# Altium PCB 28Pin-Project-V1I1-PCB.PcbDoc (part 1 of 2)
Units mm, origin at the board's own origin, x right, y up, seen from the top; angles counter-clockwise.
Board outline 68.58 x 53.34 mm, 2 copper layers (L1, L2), stack 1.671 mm thick; 106 components, 71 nets, 323 pads, 103 vias.
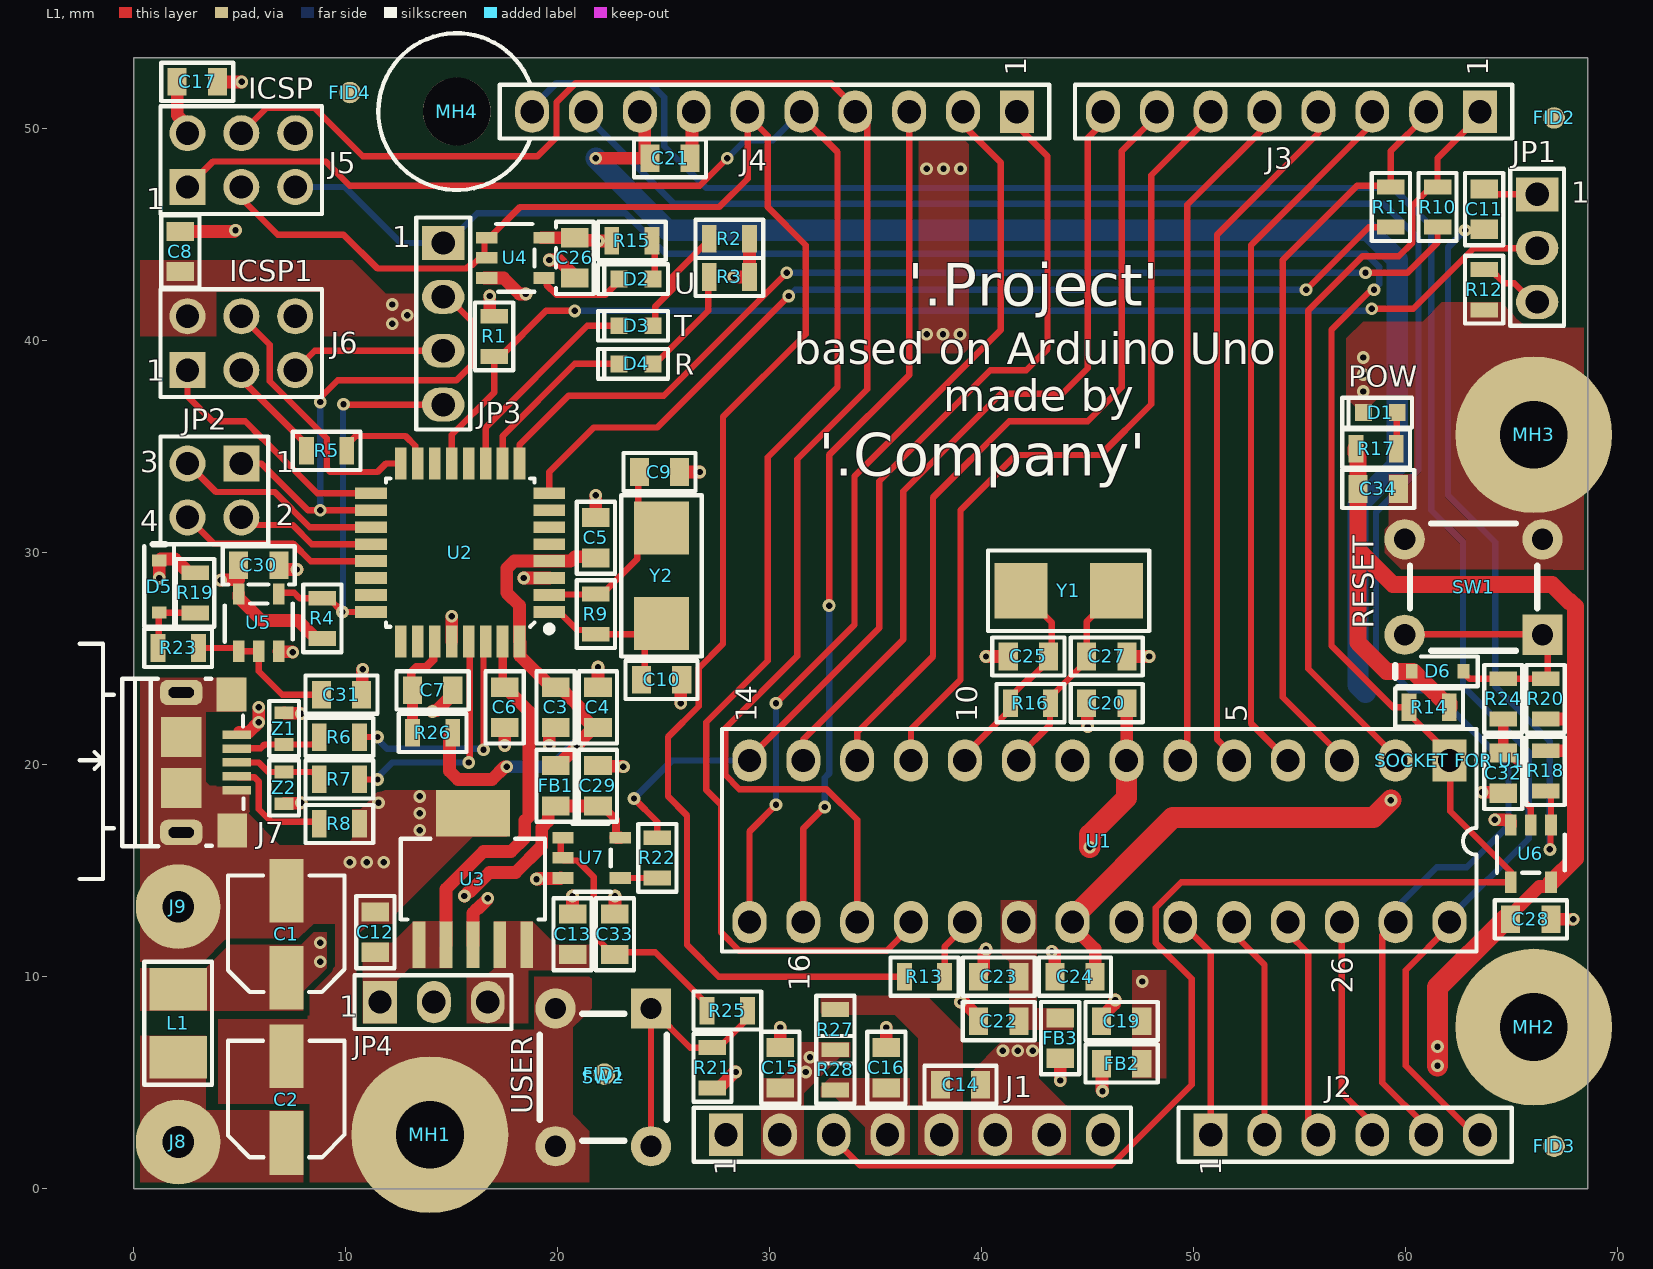
[diagram p0: L1 view]
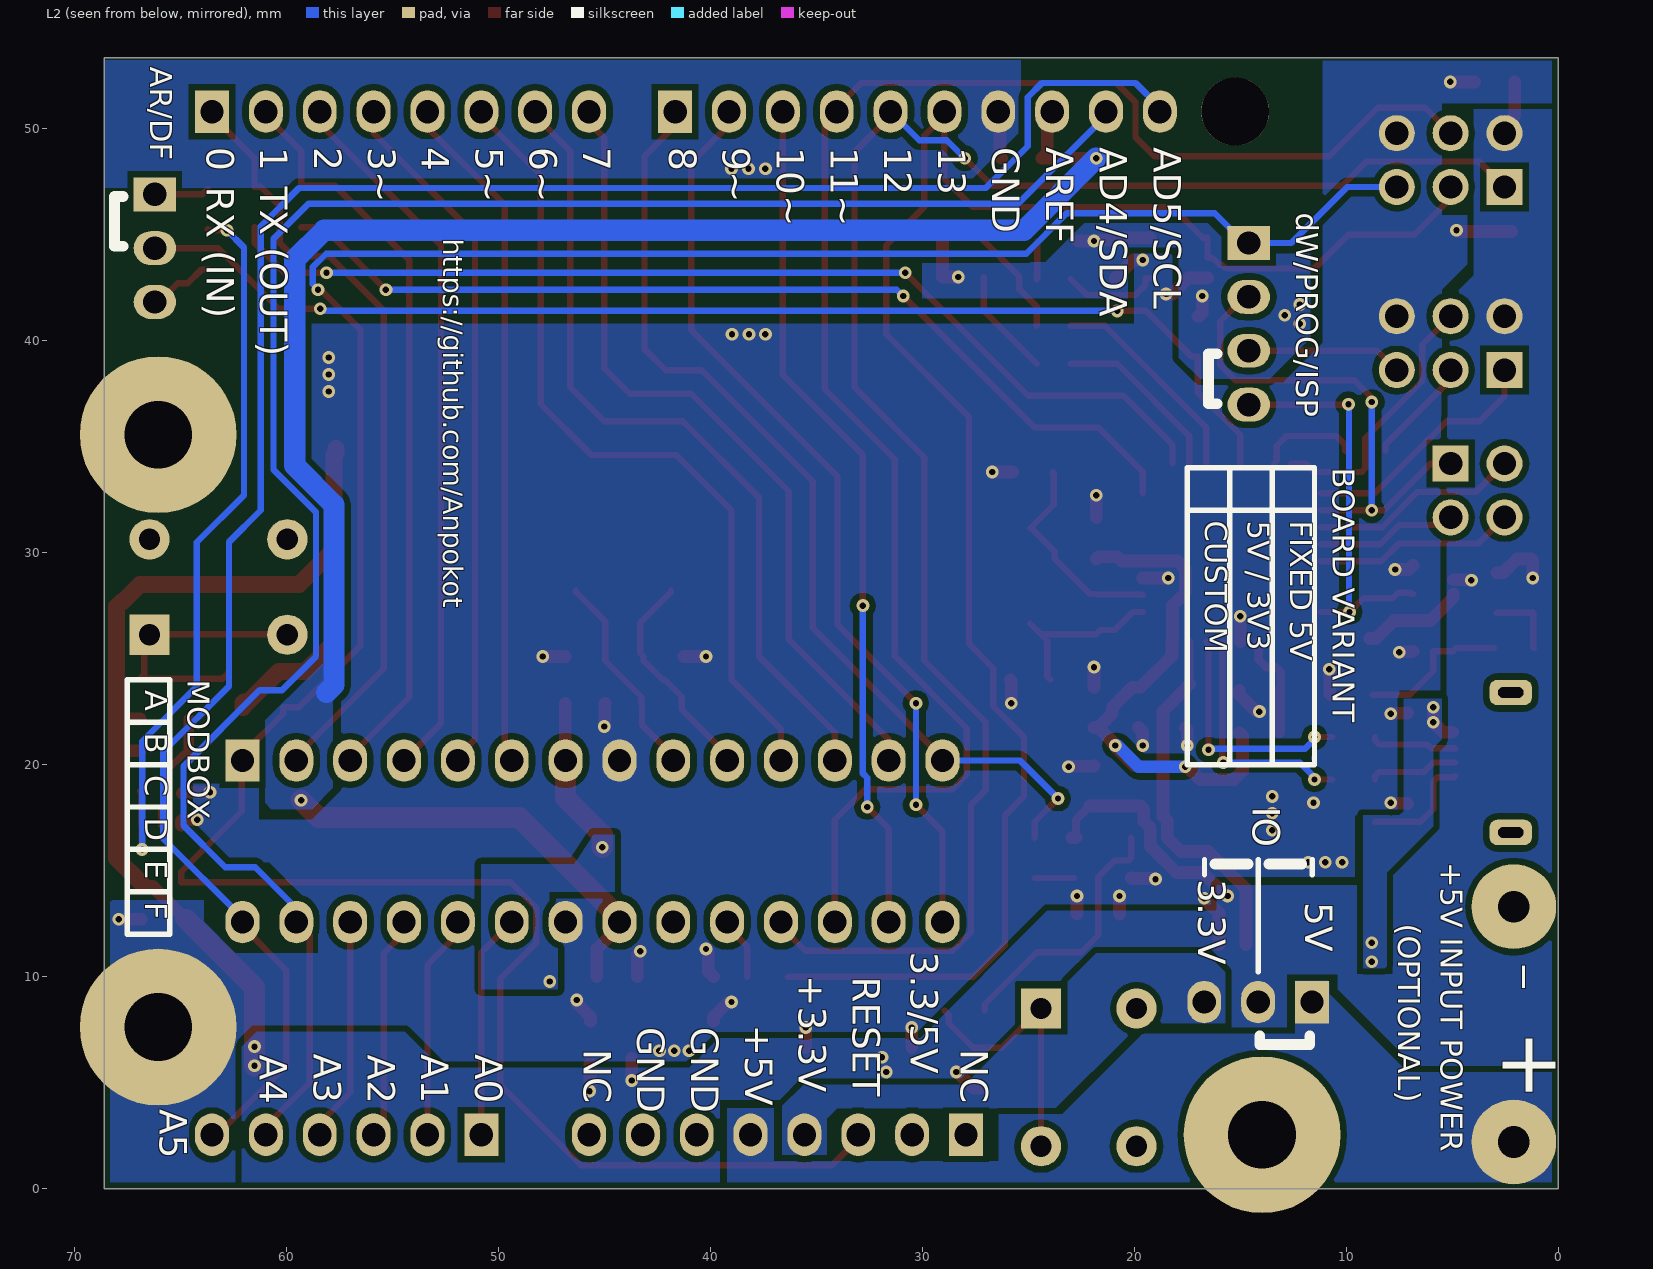
[diagram p1: L2 view, seen from below]

## Layer stack, top to bottom
Top Solder: solder mask 0.0102, Solder Resist, Dk 3.5
L1: signal copper 0.0356
Dielectric 1: dielectric 1.6, FR-4, Dk 4.8
L2: signal copper 0.0356
Bottom Solder: solder mask 0.0102, Solder Resist, Dk 3.5

## Board outline
0,0 68.58,0 68.58,53.34 0,53.34

## Design rules (kind name [scope] priority, off if disabled: settings)
Clearance Polygon [IsRegion] p1: gap=0.3 ignorepadtopadclearanceinfootprint=FALSE
Clearance [All] p2: gap=0.2 ignorepadtopadclearanceinfootprint=FALSE
ComponentClearance "SW2 to FID1" [InComponent('SW2') vs InComponent('FID1')] p1: gap=0 collisioncheckmode=3 verticalgap=0 showdistances=FALSE
ComponentClearance "Power Resistors" [InComponent('R27') vs InComponent('R28')] p2: gap=0 collisioncheckmode=3 verticalgap=0 showdistances=FALSE
ComponentClearance "MH4 to FID4 to J4" [InComponent('MH4') vs InComponent('FID4') or InComponent('J4')] p3: gap=0 collisioncheckmode=3 verticalgap=0 showdistances=FALSE
ComponentClearance "DIP SOCKET to MH2 to U1" [InComponent('SOCKET FOR U1') vs InComponent('MH2') or InComponent('U1')] p4: gap=0 collisioncheckmode=3 verticalgap=0 showdistances=FALSE
ComponentClearance "MH2 to J2" [InComponent('J2') vs InComponent('MH2')] p5: gap=0 collisioncheckmode=3 verticalgap=0 showdistances=FALSE
ComponentClearance [All] p6: gap=0.2 collisioncheckmode=3 verticalgap=0.2 showdistances=FALSE
HoleSize [All] p1: absolutevalues=TRUE maxlimit=10 minlimit=0.2 maxpercent=80.000 minpercent=20.000
HoleToHoleClearance [All] p1: gap=0.3 allowstackedmicrovias=TRUE
MinimumSolderMaskSliver [All] p1: minsoldermaskwidth=0.1
PolygonConnect [All] p1: connectstyle=Direct reliefconductorwidth=0.254 reliefentries=4 polygonreliefangle="90 Angle" airgapwidth=0.254
RoutingVias [All] p1: holewidth=0.3 width=0.6 viastyle="Through Hole" minholewidth=0.3 minwidth=0.6 maxholewidth=0.3 maxwidth=0.6
SilkToSilkClearance [All] p1: silktosilkclearance=0.1
SilkToSolderMaskClearance [IsPad] p1: minsilkscreentomaskgap=0.1 clearancetoexposedcopper=TRUE
SolderMaskExpansion [All] p1: expansion=0.1
Width "Width Power" [InNet('GND')or InNet('+*')] p1: maxlimit=4 minlimit=0.4 preferedwidth=0.4
Width Width_1 [All] p2: maxlimit=0.5 minlimit=0.3 preferedwidth=0.3
24 further rules are at their usual default settings.

## Components (designator, comment, footprint, x,y, rotation, side; value= is the part's Value field where it differs from the comment)
C1 "100uF/10V" C_ALU_C_SIZE 7.2,12 r90 top
C2 "100uF/10V" C_ALU_C_SIZE 7.2,4.2 r90 top
C3 "100n" C0805N95 19.9,22.7 r90 top
C4 "10uF/16V" C0805N145 21.9,22.7 r270 top
C5 "100n" C0805N95 21.8,30.7 r270 top
C6 "100n" C0805N95 17.5,22.7 r90 top
C7 "1uF/25V" C0805N95 14.1,23.5 r0 top
C8 "100n" C0805N95 2.2,44.2 r270 top
C9 "18p" C0805N95 24.8,33.8 r180 top
C10 "18p" C0805N95 24.9,24 r180 top
C11 "100n" C0805N95 63.7,46.2 r90 top
C12 "10uF/16V" C0805N145 11.4,12.1 r270 top
C13 "10uF/16V" C0805N145 20.7,12 r270 top
C14 "100n" C0805N95 39,4.9 r180 top
C15 "100n" C0805N95 30.5,5.7 r270 top
C16 "100n" C0805N95 35.5,5.7 r270 top
C17 "100n" C0805N95 3,52.2 r180 top
C19 "10uF/16V" C0805N145 46.6,7.9 r0 top
C20 "100n" C0805N95 45.9,22.9 r0 top
C21 "10uF/16V" C0805N145 25.3,48.6 r180 top
C22 "10uF/16V" C0805N145 40.8,7.9 r0 top
C23 "100n" C0805N95 40.8,10 r0 top
C24 "100n" C0805N95 44.4,10 r0 top
C25 "18p" C0805N95 42.2,25.1 r0 top
C26 "100n" C0805N95 20.8,43.9 r90 top
C27 "18p" C0805N95 45.9,25.1 r180 top
C28 "100n" C0805N95 65.9,12.7 r180 top
C29 "100n" C0805N95 21.9,19 r270 top
C30 "100n" C0805N95 5.9,29.4 r180 top
C31 "100n" C0805N95 9.8,23.3 r180 top
C32 "100n" C0805N95 64.6,19.6 r90 top
C33 "100n" C0805N95 22.7,12 r270 top
C34 "10uF/16V" C0805N145 58.7,33 r180 top
D1 "GREEN" LED_0603 58.8,36.6 r0 top
D2 "ORANGE" LED_0603 23.7,42.9 r0 top
D3 "ORANGE" LED_0603 23.7,40.7 r0 top
D4 "ORANGE" LED_0603 23.7,38.9 r0 top
D5 "BAT54HT1G" SOD323 1.2,28.4 r270 top
D6 "BAT54HT1G" SOD323 61.5,24.4 r0 top
FB1 "MPZ2012S601AT000" IND0805N95 19.9,19 r90 top
FB2 "MPZ2012S601AT000" IND0805N95 46.6,5.9 r0 top
FB3 "MPZ2012S601AT000" IND0805N95 43.7,7.1 r90 top
FID1 "FID_1MM" FID_40X120 22.2,5.4 r0 top
FID2 "FID_1MM" FID_40X120 67,50.5 r90 top
FID3 "FID_1MM" FID_40X120 67,2 r90 top
FID4 "FID_1MM" FID_40X120 10.2,51.7 r90 top
J1 "Hdr 1x8" Hdr_Fem_1x8_2.54mm 27.94,2.54 r90 top locked
J2 "Hdr 1x6" HDR_FEM_1X6_2.54MM 50.8,2.54 r90 top locked
J3 "Hdr 1x8" Hdr_Fem_1x8_2.54mm 63.5,50.8 r270 top locked
J4 "Hdr 1x10" HDR_FEM_1X10_2.54MM 41.656,50.8 r270 top locked
J5 "HDR 2x3" "HDR 2X3 2.54MM" 2.54,47.244 r90 top locked
J6 "HDR 2x3" "HDR 2X3 2.54MM" 2.54,38.608 r90 top
J7 "10118193-0001LF" 10118193 3.557,20.1 r270 top locked
J8 "4MMx1.5MM" PAD_WITH_HOLE_4MMX1.5MM 2.1,2.2 r0 top
J9 "4MMx1.5MM" PAD_WITH_HOLE_4MMX1.5MM 2.1,13.3 r0 top
JP1 "HDR 1x3" HDR_FEM_1X3_2.54MM 66.2,46.9 r0 top locked
JP2 "HDR 2x2" "HDR 2X2 2.54MM" 5.08,34.2 r270 top locked
JP3 "HDR 1x4" HDR_FEM_1X4_2.54MM 14.6,44.6 r0 top locked
JP4 "HDR 1x3" HDR_FEM_1X3_2.54MM 11.62,8.8 r90 top locked
L1 "2u2/2A" C1210_IND 2.1,7.8 r270 top
MH1 "MH_7.4MMD_3.2MMD" MH_7.4MMD_3.2MMD 13.97,2.54 r0 top locked
MH2 "MH_7.4MMD_3.2MMD" MH_7.4MMD_3.2MMD 66.04,7.62 r0 top locked
MH3 "MH_7.4MMD_3.2MMD" MH_7.4MMD_3.2MMD 66.04,35.56 r0 top locked
MH4 "MH_7.4MMNC_3.2MMD" MH_7.4MMD_3.2MMD_NON_PLATED 15.24,50.8 r0 top locked
R1 "100K" R0805 17,40.2 r90 top
R2 "560R" R0805 28.1,44.8 r180 top
R3 "560R" R0805 28.1,43 r180 top
R4 "10K" R0805 8.9,26.9 r270 top
R5 "22R" R0805 9.1,34.8 r180 top
R6 "22R" R0805 9.7,21.3 r0 top
R7 "22R" R0805 9.7,19.3 r0 top
R8 "0R" R0805 9.7,17.2 r0 top
R9 "1M" R0805 21.8,27.1 r90 top
R10 "1K" R0805 61.5,46.3 r90 top
R11 "1K" R0805 59.3,46.3 r90 top
R12 "1K" R0805 63.7,42.4 r90 top
R13 "22R" R0805 37.3,10 r180 top
R14 "10K" R0805 61.1,22.7 r0 top
R15 "560R" R0805 23.5,44.7 r0 top
R16 "1M" R0805 42.3,22.9 r180 top
R17 "560R" R0805 58.6,34.9 r0 top
R18 "10K" R0805 66.6,19.7 r90 top
R19 "10K" R0805 2.9,28.1 r90 top
R20 "10K" R0805 66.6,23.1 r270 top
R21 "10K" R0805 27.3,5.7 r270 top
R22 "560R" R0805 24.7,15.6 r90 top
R23 "22R" R0805 2.1,25.5 r0 top
R24 "22R" R0805 64.6,23.1 r270 top
R25 "22R" R0805 28,8.4 r180 top
R26 "0R" R0805 14.1,21.5 r0 top
R27 "0R" R0805 33.1,7.5 r270 top
R28 "0R" R0805 33.1,5.6 r270 top
"SOCKET FOR U1" "28-Dip Socket" 28_DIP_7.62MM_SOCKET 62.065,20.193 r270 top locked
SW1 "1825910-6" 1825910-6 63.2,28.375 r270 top
SW2 "1825910-6" 1825910-6 22.15,5.25 r0 top
U1 "ATMEGA328P-PU" DIP28 62.065,20.193 r270 top locked
U2 "ATMEGA16U2-AU-ND" TQFP32 15.4,30 r180 top locked
U3 "TL1963A-33DCQR" "DCQ (R-PSO-G6)" 16,14.6 r90 top
U4 "SN74AHC1G09DBVR" DBV_SOT23_5 18,43.9 r0 top
U5 "SN74AHC1G09DBVR" DBV_SOT23_5 5.9,26.7 r90 top
U6 "SN74AHC1G09DBVR" DBV_SOT23_5 65.9,15.8 r270 top
U7 "SN74AHC1G09DBVR" DBV_SOT23_5 21.6,15.6 r0 top
Y1 "16MHz" ABM7_BIG 44.1,28.2 r180 top
Y2 "16MHz" ABM7_BIG 24.9,28.9 r90 top
Z1 "CG0603MLC-05E" R0603 7.1,21.7 r270 top
Z2 "CG0603MLC-05E" R0603 7.1,18.9 r90 top

## Footprints (in the part's own frame and the unit in brackets; to place one, negate y for a bottom-side part, rotate by r counter-clockwise, add the part's x,y. Pads: shape width x height; smd on the part's side, far side on the other; paste and mask are expansions set on the pad)
28_DIP_7.62MM_SOCKET [mm]
  body extent -1.24,-34.26 8.86,1.24, height 4.2
1825910-6 [mm]
  rect 1.9x1.9 hole 1: 1(2.25,3.25)
  round 1.9 hole 1: 2(2.25,-3.25) 3(-2.25,3.25) 4(-2.25,-3.25)
  silkscreen extent -3,-3 3,3, body extent -3,-3.9 2.99,3.9, height 5
10118193 [mm]
  rect 0.4x1.35 smd mask+0.05: 1(-1.3,1.313) 2(-0.65,1.313) 3(0,1.313) 4(0.65,1.313) 5(1.3,1.313)
  rect 1.6x1.4 smd: 6(-3.2,1.058) 7(3.2,1.088)
  rrect60% 1.2x2 hole 0.5 slot 1.2 at 90 deg: 8(-3.3,-1.312) 9(3.3,-1.312)
  rect 1.9x1.9 smd: 10(-1.2,-1.312) 11(1.2,-1.312)
  silkscreen extent -5.6,-6.1 5.5,1.62, body extent -3.93,-4.09 3.93,1.57, height 2.87
ABM7_BIG [mm]
  rect 2.5x2.6 smd: 1(-2.25,0) 2(2.25,0)
  silkscreen extent -3.8,-1.9 3.8,1.9, body extent -3,-1.75 3,1.75, height 1.41
C0805N95 [mm]
  rect 0.9x1.3 smd: 1(-0.95,0) 2(0.95,0)
  silkscreen extent -1.7,-0.9 1.7,0.9, body extent -1,-0.6 1,0.6, height 0.95
C0805N145 [mm]
  rect 0.9x1.3 smd: 1(-0.95,0) 2(0.95,0)
  silkscreen extent -1.7,-0.9 1.7,0.9, body extent -1,-0.6 1,0.6, height 1.45
C1210_IND [mm]
  rect 2x2.7 smd: 1(-1.6,0) 2(1.6,0)
  silkscreen extent -2.9,-1.6 2.9,1.6, body extent -1.7,-1.35 1.7,1.35, height 2.71
C_ALU_C_SIZE [mm]
  rect 3x1.6 smd: 1(-2.05,0) 2(2.05,0)
  silkscreen extent -2.73,-2.75 2.78,2.75, body extent -2.93,-2.62 2.97,2.67, height 5.41
DBV_SOT23_5 [mm]
  rect 1x0.55 smd: 1(-1.35,0.95) 2(-1.35,0) 3(-1.35,-0.95) 4(1.35,-0.95) 5(1.35,0.95)
  silkscreen extent -0.9,-1.6 0.9,1.6, body extent -1.51,-1.53 1.51,1.52, height 1.61
"DCQ (R-PSO-G6)" [mm]
  rect 2.2x0.6 smd: 1(-3.1,2.54) 2(-3.1,1.27) 3(-3.1,0) 4(-3.1,-1.27) 5(-3.1,-2.54)
  rect 2.2x3.5 smd: 6(3.1,0)
  silkscreen extent -1.9,-3.4 1.9,3.4, body extent -3.63,-3.28 3.63,3.28, height 1.79
DIP28 [mm]
  rect 2x1.6 hole 1.1: 1(0,0)
  oval 2x1.6 hole 1.1: 2(0,-2.54) 3(0,-5.08) 4(0,-7.62) 5(0,-10.16) 6(0,-12.7) 7(0,-15.24) 8(0,-17.78) 9(0,-20.32) 10(0,-22.86) 11(0,-25.4) 12(0,-27.94) 13(0,-30.48) 14(0,-33.02) 15(7.62,-33.02) 16(7.62,-30.48) 17(7.62,-27.94) 18(7.62,-25.4) 19(7.62,-22.86) 20(7.62,-20.32) 21(7.62,-17.78) 22(7.62,-15.24) 23(7.62,-12.7) 24(7.62,-10.16) 25(7.62,-7.62) 26(7.62,-5.08) 27(7.62,-2.54) 28(7.62,0)
  silkscreen extent -1.49,-34.31 9.01,1.27, body extent -0.14,-33.83 7.76,0.82, height 7.94
FID_40X120 [mil]
  round 40 smd paste-40 mask+40: 1(0,0)
"HDR 2X2 2.54MM" [mm]
  rect 1.7x1.7 hole 1.1: 1(0,0)
  round 1.7 hole 1.1: 2(2.54,0) 3(0,-2.54) 4(2.54,-2.54)
  silkscreen extent -1.27,-3.81 3.81,1.27, body extent -1.23,-3.81 3.77,1.27, height 8.01
"HDR 2X3 2.54MM" [mm]
  rect 1.7x1.7 hole 1.1: 1(0,0)
  round 1.7 hole 1.1: 2(2.54,0) 3(0,-2.54) 4(2.54,-2.54) 5(0,-5.08) 6(2.54,-5.08)
  silkscreen extent -1.27,-6.34 3.81,1.27, body extent -1.23,-6.35 3.77,1.27, height 8.01
HDR_FEM_1X3_2.54MM [mm]
  rect 2x1.6 hole 1.1: 1(0,0)
  oval 2x1.6 hole 1.1: 2(0,-2.54) 3(0,-5.08)
  silkscreen extent -1.27,-6.2 1.27,1.2, body extent -1.21,-6.11 1.2,1.11, height 8.39
HDR_FEM_1X4_2.54MM [mm]
  rect 2x1.6 hole 1.1: 1(0,0)
  oval 2x1.6 hole 1.1: 2(0,-2.54) 3(0,-5.08) 4(0,-7.62)
  silkscreen extent -1.27,-8.8 1.27,1.2, body extent -1.21,-8.68 1.2,1.08, height 8.39
HDR_FEM_1X6_2.54MM [mm]
  rect 2x1.6 hole 1.1: 1(0,0)
  oval 2x1.6 hole 1.1: 2(0,-2.54) 3(0,-5.08) 4(0,-7.62) 5(0,-10.16) 6(0,-12.7)
  silkscreen extent -1.27,-14.2 1.27,1.52, body extent -1.25,-14.17 1.25,1.47, height 8.51
Hdr_Fem_1x8_2.54mm [mm]
  rect 2x1.6 hole 1.1: 1(0,0)
  oval 2x1.6 hole 1.1: 2(0,-2.54) 3(0,-5.08) 4(0,-7.62) 5(0,-10.16) 6(0,-12.7) 7(0,-15.24) 8(0,-17.78)
  silkscreen extent -1.27,-19.1 1.27,1.52, body extent -1.25,-19.15 1.25,1.57, height 8.51
HDR_FEM_1X10_2.54MM [mm]
  rect 2x1.6 hole 1.1: 1(0,0)
  oval 2x1.6 hole 1.1: 2(0,-2.54) 3(0,-5.08) 4(0,-7.62) 5(0,-10.16) 6(0,-12.7) 7(0,-15.24) 8(0,-17.78) 9(0,-20.32) 10(0,-22.86)
  silkscreen extent -1.27,-24.38 1.27,1.52, body extent -1.25,-24.33 1.25,1.47, height 8.51
IND0805N95 [mm]
  rect 0.9x1.3 smd: 1(-0.95,0) 2(0.95,0)
  silkscreen extent -1.7,-0.9 1.7,0.9, body extent -1,-0.6 1,0.6, height 0.96
LED_0603 [mm]
  rect 0.8x0.8 smd: 1(-0.8,0) 2(0.8,0)
  silkscreen extent -1.8,-0.7 1.5,0.7, body extent -0.85,-0.4 0.85,0.4, height 0.66
MH_7.4MMD_3.2MMD [mm]
  round 7.4 hole 3.2: 1(0,0)
MH_7.4MMD_3.2MMD_NON_PLATED [mm]
  round 3.2 hole 3.2 unplated: 1(0,0)
  silkscreen extent -3.7,-3.7 3.48,3.7
PAD_WITH_HOLE_4MMX1.5MM [mm]
  round 4 hole 1.5: 1(0,0)
R0603 [mm]
  rect 0.6x0.9 smd: 1(-0.75,0) 2(0.75,0)
  silkscreen extent -1.3,-0.7 1.3,0.7, body extent -0.8,-0.4 0.8,0.4, height 0.85
R0805 [mm]
  rect 0.7x1.3 smd: 1(-0.95,0) 2(0.95,0)
  silkscreen extent -1.6,-0.9 1.6,0.9, body extent -1,-0.6 1,0.6, height 0.61
SOD323 [mil]
  rect 22x27 smd: 1(-48,0) 2(48,0)
  silkscreen extent -79,-28 75,28, body extent -53,-25 53,25, height 43
TQFP32 [mm]
  rect 1.5x0.55 smd mask+0.06: 1(-4.2,2.8) 2(-4.2,2) 3(-4.2,1.2) 4(-4.2,0.4) 5(-4.2,-0.4) 6(-4.2,-1.2) 7(-4.2,-2) 8(-4.2,-2.8) 17(4.2,-2.8) 18(4.2,-2) 19(4.2,-1.2) 20(4.2,-0.4) 21(4.2,0.4) 22(4.2,1.2) 23(4.2,2) 24(4.2,2.8)
  rect 0.55x1.5 smd mask+0.06: 9(-2.8,-4.2) 10(-2,-4.2) 11(-1.2,-4.2) 12(-0.4,-4.2) 13(0.4,-4.2) 14(1.2,-4.2) 15(2,-4.2) 16(2.8,-4.2) 25(2.8,4.2) 26(2,4.2) 27(1.2,4.2) 28(0.4,4.2) 29(-0.4,4.2) 30(-1.2,4.2) 31(-2,4.2) 32(-2.8,4.2)
  silkscreen extent -4.3,-3.5 3.5,3.7, body extent -4.6,-4.6 4.6,4.6, height 1.2

## Part data
C1 C2: library part EEE-1AA101WR, "Cap Aluminum 100uF 10V 20% (5 X 5.4mm) SMD 50mA 1000 hr 85°C T/R", Capacitance=100uF, Case/Package=Radial, Manufacturer 1=Panasonic, Max Operating Temperature=85°C, Min Operating Temperature=-40°C, Package Quantity=1, Ripple Current=50mA, Supplier Part Number 1=PCE3867CT-ND, Tolerance=20%, Voltage Rating=10V, Category="Aluminum Electrolytic Capacitors", ComponentLink1Description=https://datasheet.ciiva.com/26945/getdatasheetpartid-169213-26945071.pdf?src-supplier=Verical, ComponentLink1URL=https://datasheet.ciiva.com/26945/getdatasheetpartid-169213-26945071.pdf?src-supplier=Verical, ComponentLink2Description=https://datasheet.ciiva.com/2983/aba0000ce2-2983906.pdf?src-supplier=Avnet, ComponentLink2URL=https://datasheet.ciiva.com/2983/aba0000ce2-2983906.pdf?src-supplier=Avnet, ComponentLink3Description=https://datasheet.ciiva.com/30075/11aba0000ce2-30075303.pdf?src-supplier=Onlinecomponents.com, ComponentLink3URL=https://datasheet.ciiva.com/30075/11aba0000ce2-30075303.pdf?src-supplier=Onlinecomponents.com, ComponentLink4Description=https://datasheet.ciiva.com/16427/aba0000ce2-16427544.pdf?src-supplier=Future+Electronics, ComponentLink4URL=https://datasheet.ciiva.com/16427/aba0000ce2-16427544.pdf?src-supplier=Future+Electronics, ComponentLink5Description=https://datasheet.ciiva.com/14598/70255710-14598233.pdf?src-supplier=Allied+Electronics, ComponentLink5URL=https://datasheet.ciiva.com/14598/70255710-14598233.pdf?src-supplier=Allied+Electronics, ComponentLink6Description=https://datasheet.ciiva.com/14605/70255710-14605689.pdf?src-supplier=Allied+Electronics, ComponentLink6URL=https://datasheet.ciiva.com/14605/70255710-14605689.pdf?src-supplier=Allied+Electronics, ComponentLink7Description=https://datasheet.ciiva.com/11673/aba0000ce2-11673882.pdf?src-supplier=Avnet, ComponentLink7URL=https://datasheet.ciiva.com/11673/aba0000ce2-11673882.pdf?src-supplier=Avnet, ComponentLink8Description=https://datasheet.ciiva.com/24027/aba0000ce2-40801-24027541.pdf?src-supplier=Mouser, ComponentLink8URL=https://datasheet.ciiva.com/24027/aba0000ce2-40801-24027541.pdf?src-supplier=Mouser, Contact Plating=Tin, Diameter=5mm, Height=5.4mm, Height - Seated (Max)=0.213inch, Lead Free="Lead Free", Length=5.5mm, Life (Hours)=1000Hour, Manufacturer Part Number 1=EEE-1AA101WR, Mount="Surface Mount,PCB", Packaging="Tape and Reel", Pricing 1="1=0.32000, 10=0.22100, 100=0.13280, 500=0.09964 (USD)", Radiation Hardening=No, REACH SVHC=Unknown, Ripple Current (AC)=50mA, RoHS=Yes, Stock 1=75322, Supplier 1=Digi-Key, Termination=SMD/SMT, Voltage Rating (DC)=10V
C3 C5 C6 C8 C11 C14 C15 C16 C17 C20 C23 C24 C26 C28 C29 C30 C31 C32 C33: library part C2012X7R1H104K085AA, "TDK - C2012X7R1H104K085AA - SMD Multilayer Ceramic Capacitor, 0.1 µF, 50 V, 0805 [2012 Metric], ± 10%, X7R, C Series", Capacitance=100nF, Case/Package=0805, Case Code (Metric)=2012, Dielectric=X7R, Dielectric Material=Ceramic, Manufacturer 1=TDK, Max Operating Temperature=125°C, Min Operating Temperature=-55°C, Package Quantity=1, Supplier Part Number 1=445-7534-1-ND, Tolerance=10%, Voltage=50V, Case Code (Imperial)=0805, Category="Ceramic Capacitors", ComponentLink1Description=https://datasheet.ciiva.com/11788/0900766b80c1bb00-11788128.pdf?src-supplier=RSComponents, ComponentLink1URL=https://datasheet.ciiva.com/11788/0900766b80c1bb00-11788128.pdf?src-supplier=RSComponents, ComponentLink2Description=https://datasheet.ciiva.com/6250/tdkmlcccaprange-6250821.pdf?src-supplier=Digi-Key, ComponentLink2URL=https://datasheet.ciiva.com/6250/tdkmlcccaprange-6250821.pdf?src-supplier=Digi-Key, ComponentLink3Description=https://datasheet.ciiva.com/24191/e412-c-24191447.pdf?src-supplier=Future+Electronics, ComponentLink3URL=https://datasheet.ciiva.com/24191/e412-c-24191447.pdf?src-supplier=Future+Electronics, ComponentLink4Description=https://datasheet.ciiva.com/6250/tdkmlcccaprange-6250824.pdf?src-supplier=Digi-Key, ComponentLink4URL=https://datasheet.ciiva.com/6250/tdkmlcccaprange-6250824.pdf?src-supplier=Digi-Key, ComponentLink5Description=https://datasheet.ciiva.com/23803/1796654-23803035.pdf?src-supplier=Newark, ComponentLink5URL=https://datasheet.ciiva.com/23803/1796654-23803035.pdf?src-supplier=Newark, ComponentLink6Description=https://datasheet.ciiva.com/28602/1571323-28602204.pdf?src-supplier=Element14, ComponentLink6URL=https://datasheet.ciiva.com/28602/1571323-28602204.pdf?src-supplier=Element14, Composition=Ceramic, Depth=1.25mm, Height=0.85mm, Lead Free="Lead Free", Length=2mm, Manufacturer Part Number 1=C2012X7R1H104K085AA, Mount="Surface Mount", Number of Pins=2, Packaging="Tape and Reel", Pricing 1="1=0.17000, 10=0.11900, 100=0.05610, 500=0.03936, 1000=0.03258 (USD)", Radiation Hardening=No, REACH SVHC="No SVHC", RoHS=Yes, Stock 1=258714, Supplier 1=Digi-Key, Termination=SMD/SMT, Thickness=0.037inch, Voltage Rating=50V, Voltage Rating (DC)=50V, Weight=0.000194oz, Width=0.049inch
C4 C12 C13 C19 C21 C22 C34: library part C2012X5R1C106M125AC, "CERAMIC CAPACITOR, 10UF, 16V, X5R, 20%, 0805, FULL REEL; Product Range:C Series; Capacitance:10 F; Capacitance Tolerance: 20%; Dielectric Characteristic:X5R; Voltage Rating:16V; Ceramic Capacitor Case:0805 [2012 Metric]; MSL:- ;RoHS Compliant: Yes", Capacitance=10uF, Case/Package=0805, Case Code (Metric)=2012, Dielectric=X5R, Dielectric Material=Ceramic, Manufacturer 1=TDK, Max Operating Temperature=85°C, Min Operating Temperature=-55°C, Package Quantity=1, Supplier Part Number 1=2525134, Tolerance=20%, Voltage Rating=16V, Case Code (Imperial)=0805, Category="Ceramic Capacitors", ComponentLink1Description=https://datasheet.ciiva.com/6289/tdkmlcccaprange-6289238.pdf?src-supplier=Digi-Key, ComponentLink1URL=https://datasheet.ciiva.com/6289/tdkmlcccaprange-6289238.pdf?src-supplier=Digi-Key, ComponentLink2Description=https://datasheet.ciiva.com/22725/1913358-22725558.pdf?src-supplier=Element14, ComponentLink2URL=https://datasheet.ciiva.com/22725/1913358-22725558.pdf?src-supplier=Element14, ComponentLink3Description=https://datasheet.ciiva.com/6252/tdkmlcccaprange-6252105.pdf?src-supplier=Digi-Key, ComponentLink3URL=https://datasheet.ciiva.com/6252/tdkmlcccaprange-6252105.pdf?src-supplier=Digi-Key, ComponentLink4Description=https://datasheet.ciiva.com/6252/tdkmlcccaprange-6252108.pdf?src-supplier=Digi-Key, ComponentLink4URL=https://datasheet.ciiva.com/6252/tdkmlcccaprange-6252108.pdf?src-supplier=Digi-Key, ComponentLink5Description=https://datasheet.ciiva.com/23803/1796654-23803022.pdf?src-supplier=Newark, ComponentLink5URL=https://datasheet.ciiva.com/23803/1796654-23803022.pdf?src-supplier=Newark, Composition=Ceramic, Depth=1.25mm, Height=1.25mm, Lead Free="Lead Free", Length=2mm, Manufacturer Part Number 1=C2012X5R1C106M125AC, Mount="Surface Mount", Number of Pins=2, Packaging="Tape and Reel", Pricing 1="5=0.27200, 50=0.09480, 250=0.08030, 500=0.07090, 1000=0.06220, 2000=0.04880, 10000=0.04830, 20000=0.04180 (GBP)", REACH SVHC="No SVHC", RoHS=Yes, Supplier 1=Farnell, Termination=SMD/SMT, Thickness=0.057inch, Voltage Rating (DC)=16V, Weight=0.000194oz, Width=0.049inch
C7: library part C2012X5R1E105K125AA, "TDK - C2012X5R1E105K125AA - SMD Multilayer Ceramic Capacitor, 1 µF, 25 V, 0805 [2012 Metric], ± 10%, X5R, C Series", Capacitance=1uF, Case/Package=0805, Case Code (Metric)=2012, Dielectric=X5R, Dielectric Material=Ceramic, Manufacturer 1=TDK, Max Operating Temperature=85°C, Min Operating Temperature=-55°C, Package Quantity=2000, Supplier Part Number 1=445-1419-1-ND, Tolerance=10%, Voltage=25V, Case Code (Imperial)=0805, Category="Ceramic Capacitors", ComponentLink1Description=https://datasheet.ciiva.com/11787/0900766b80c1bb00-11787608.pdf?src-supplier=RSComponents, ComponentLink1URL=https://datasheet.ciiva.com/11787/0900766b80c1bb00-11787608.pdf?src-supplier=RSComponents, ComponentLink2Description=https://datasheet.ciiva.com/16449/e412-c-16449595.pdf?src-supplier=Future+Electronics, ComponentLink2URL=https://datasheet.ciiva.com/16449/e412-c-16449595.pdf?src-supplier=Future+Electronics, ComponentLink3Description=https://datasheet.ciiva.com/28602/1744655-28602171.pdf?src-supplier=Element14, ComponentLink3URL=https://datasheet.ciiva.com/28602/1744655-28602171.pdf?src-supplier=Element14, ComponentLink4Description=https://datasheet.ciiva.com/15192/getdatasheetpartid-726707-15192140.pdf?src-supplier=Verical, ComponentLink4URL=https://datasheet.ciiva.com/15192/getdatasheetpartid-726707-15192140.pdf?src-supplier=Verical, Composition=Ceramic, Depth=1.25mm, Height=1.25mm, Lead Free="Lead Free", Length=2mm, Manufacturer Part Number 1=C2012X5R1E105K125AA, Mount="Surface Mount", Number of Pins=2, Packaging="Tape and Reel", Pricing 1="1=0.27000, 10=0.18200, 100=0.09230, 500=0.06314, 1000=0.05586 (USD)", Radiation Hardening=No, REACH SVHC="No SVHC", RoHS=Yes, Stock 1=30578, Supplier 1=Digi-Key, Termination=SMD/SMT, Thickness=0.057inch, Voltage Rating=25V, Voltage Rating (DC)=25V, Weight=0.000194oz, Width=0.049inch
C9 C10 C25 C27: library part C0805C180J5GACTU, "CAP CER 18PF 50V C0G/NP0 0805", Capacitance=18pF, Case/Package=0805, Dielectric=C0G, Dielectric Material=Ceramic, Manufacturer 1=KEMET, Max Operating Temperature=125°C, Min Operating Temperature=-55°C, Supplier Part Number 1=399-1112-1-ND, Temperature Coefficient=30ppm/°C, Tolerance=5%, Voltage=50V, Category="Ceramic Capacitors", ComponentLink1Description=https://datasheet.ciiva.com/22746/1769375-22746770.pdf?src-supplier=Element14, ComponentLink1URL=https://datasheet.ciiva.com/22746/1769375-22746770.pdf?src-supplier=Element14, ComponentLink2Description=https://datasheet.ciiva.com/26923/getdatasheetpartid-759702-26923980.pdf?src-supplier=Verical, ComponentLink2URL=https://datasheet.ciiva.com/26923/getdatasheetpartid-759702-26923980.pdf?src-supplier=Verical, ComponentLink3Description=https://datasheet.ciiva.com/26847/getdatasheetpartid-385668-26847862.pdf?src-supplier=Verical, ComponentLink3URL=https://datasheet.ciiva.com/26847/getdatasheetpartid-385668-26847862.pdf?src-supplier=Verical, Contact Plating=Tin,Matte, Depth=1.25mm, Height=0.78mm, Lead Free="Lead Free", Length=2mm, Manufacturer Part Number 1=C0805C180J5GACTU, Mount="Surface Mount", Packaging="Tape and Reel", Pricing 1="1=0.14000, 10=0.10000, 100=0.04680, 500=0.03282, 1000=0.02716 (USD)", Radiation Hardening=No, RoHS=Yes, Stock 1=169583, Supplier 1=Digi-Key, Termination=SMD/SMT, Voltage Rating (DC)=50V